# Altium PCB FMC_ADC_250M_16B_4ch.PcbDoc (part 1 of 8) (continued)
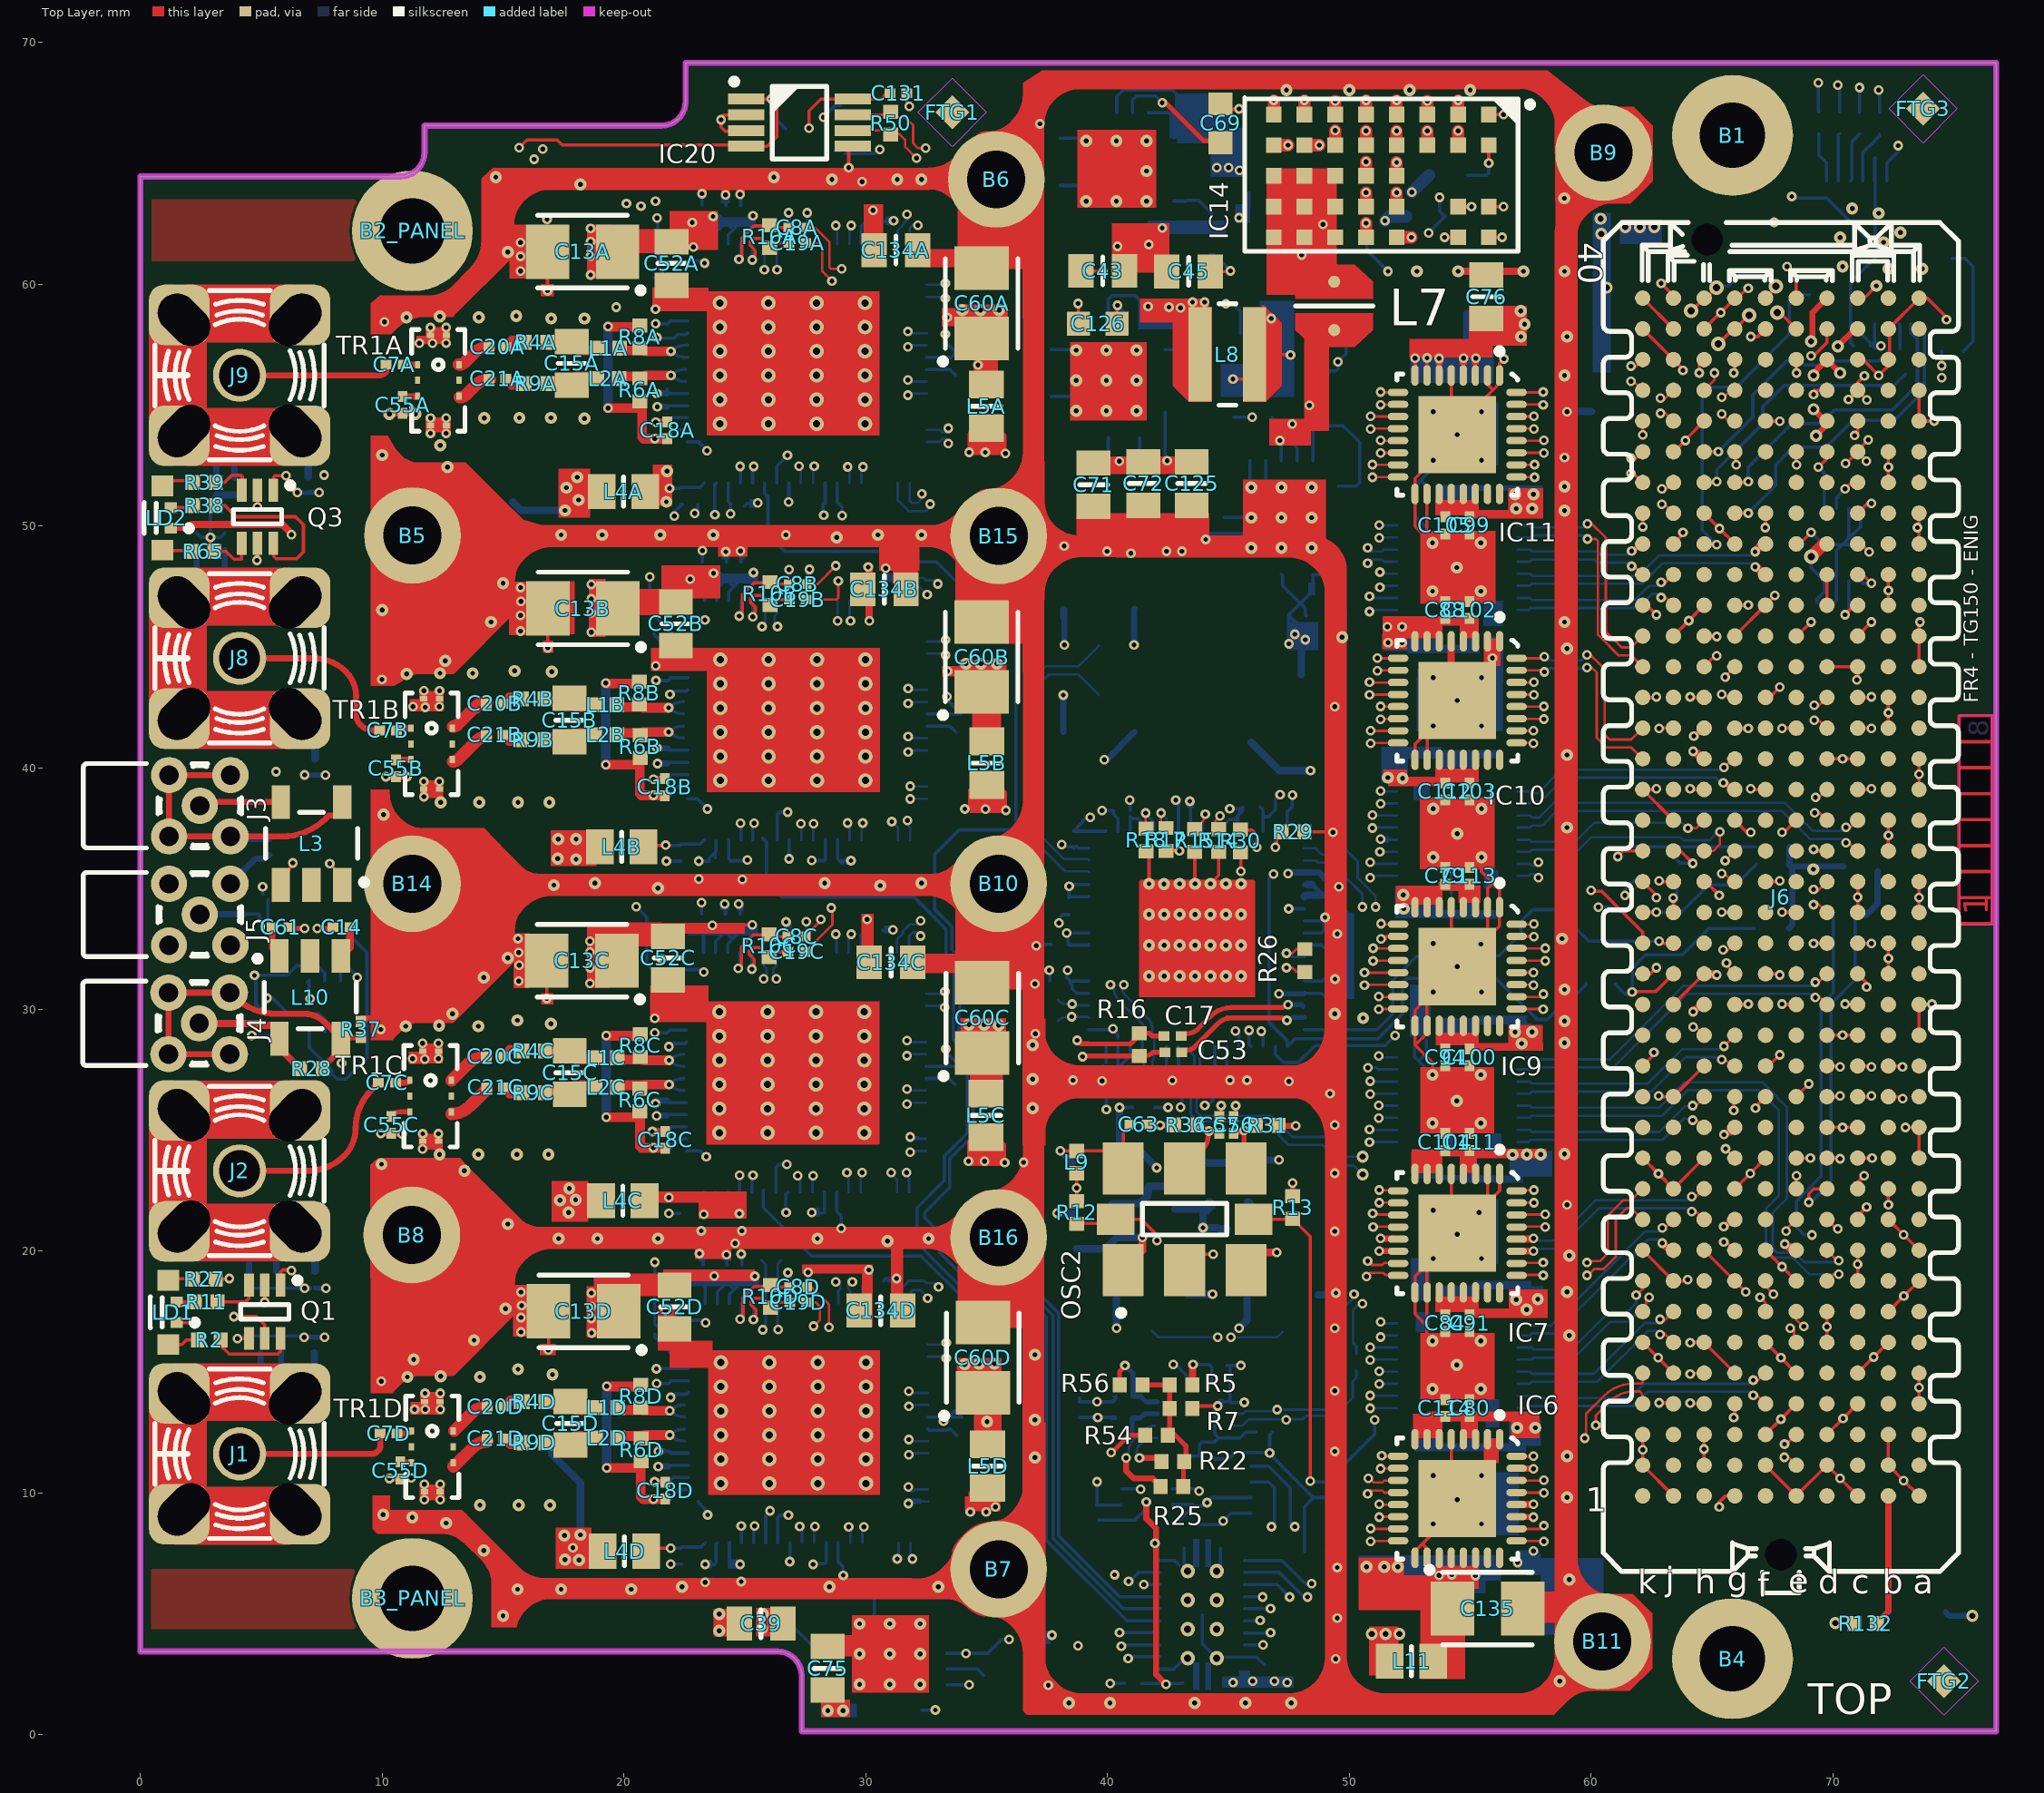
[diagram p0: Top Layer view]
## Design rules (kind name [scope] priority, off if disabled: settings) (continued)
Width [All] p2: maxlimit=2.54 minlimit=0.102 preferedwidth=0.135 toplayer_minwidth=0.135 midlayer1_minwidth=0.123 midlayer1_prefwidth=0.123 midlayer2_minwidth=0.127 midlayer2_prefwidth=0.127 midlayer3_prefwidth=0.127 bottomlayer_minwidth=0.135 minimp=50.000000 maximp=50.000000 favimp=50.000000
18 further rules are at their usual default settings.

## Classes and differential pairs
net class ADC_CLK: ADC1_CLK_N ADC1_CLK_P ADC2_CLK_N ADC2_CLK_P ADC3_CLK_N ADC3_CLK_P ADC4_CLK_N ADC4_CLK_P
net class ADC3_D: ADC_BUF_DATA3.CLKOUT_N ADC_BUF_DATA3.CLKOUT_P ADC_BUF_DATA3.D0_N ADC_BUF_DATA3.D2_N ADC_BUF_DATA3.D2_P ADC_BUF_DATA3.D4_N ADC_BUF_DATA3.D4_P ADC_BUF_DATA3.D6_N ADC_BUF_DATA3.D6_P ADC_BUF_DATA3.D8_N ADC_BUF_DATA3.D8_P ADC_BUF_DATA3.D10_N ADC_BUF_DATA3.D10_P ADC_BUF_DATA3.D12_N ADC_BUF_DATA3.D12_P ADC_BUF_DATA3.D14_N ADC_BUF_DATA3.D14_P
net class ADC2_D: ADC_BUF_DATA2.CLKOUT_N ADC_BUF_DATA2.CLKOUT_P ADC_BUF_DATA2.D0_N ADC_BUF_DATA2.D2_N ADC_BUF_DATA2.D2_P ADC_BUF_DATA2.D4_N ADC_BUF_DATA2.D4_P ADC_BUF_DATA2.D6_N ADC_BUF_DATA2.D6_P ADC_BUF_DATA2.D8_N ADC_BUF_DATA2.D8_P ADC_BUF_DATA2.D10_N ADC_BUF_DATA2.D10_P ADC_BUF_DATA2.D12_N ADC_BUF_DATA2.D12_P ADC_BUF_DATA2.D14_N ADC_BUF_DATA2.D14_P
net class ADC1_D: ADC_BUF_DATA1.CLKOUT_N ADC_BUF_DATA1.CLKOUT_P ADC_BUF_DATA1.D0_N ADC_BUF_DATA1.D2_N ADC_BUF_DATA1.D2_P ADC_BUF_DATA1.D4_N ADC_BUF_DATA1.D4_P ADC_BUF_DATA1.D6_N ADC_BUF_DATA1.D6_P ADC_BUF_DATA1.D8_N ADC_BUF_DATA1.D8_P ADC_BUF_DATA1.D10_N ADC_BUF_DATA1.D10_P ADC_BUF_DATA1.D12_N ADC_BUF_DATA1.D12_P ADC_BUF_DATA1.D14_N ADC_BUF_DATA1.D14_P
net class ADC0_D: ADC_BUF_DATA0.CLKOUT_N ADC_BUF_DATA0.CLKOUT_P ADC_BUF_DATA0.D0_N ADC_BUF_DATA0.D0_P ADC_BUF_DATA0.D2_N ADC_BUF_DATA0.D2_P ADC_BUF_DATA0.D4_N ADC_BUF_DATA0.D4_P ADC_BUF_DATA0.D6_N ADC_BUF_DATA0.D6_P ADC_BUF_DATA0.D8_N ADC_BUF_DATA0.D8_P ADC_BUF_DATA0.D10_N ADC_BUF_DATA0.D10_P ADC_BUF_DATA0.D12_N ADC_BUF_DATA0.D12_P ADC_BUF_DATA0.D14_N ADC_BUF_DATA0.D14_P
component class U_ADC_Buffers: C78 C79 C80 C81 C82 C83 C84 C85 C86 C87 C88 C89 C90 C91 C92 C93 C94 C95 C96 C97 C98 C99 C100 C101 C102 C103 C104 C105 C106 C107 C108 C109 C110 C111 C112 C113 C114 C115 C116 C117 C118 C119 C120 C121 C122 IC5 IC6 IC7 IC8 IC9 IC10 IC11 IC12 IC13
component class U_Triggers: C131 C132 D1 IC20 J5 LD2 Q3 R38 R39 R48 R49 R50 R65
component class U_EEPROM_Temp_LEDs: C22 C23 C55 FTG1 FTG2 FTG3 FTG4 FTG5 FTG6 IC15 IC22 LD1 Q1 Q2 R2 R11 R27 R32 R33 R34 R35 R46 R47
component class U_ADC4: C1D C2D C3D C4D C5D C6D C7D C8D C9D C10D C11D C12D C13D C15D C18D C19D C20D C21D C24D C52D C54D C55D C60D C133D C134D C?D IC1D L1D L2D L4D L5D R1D R4D R6D R8D R9D R10D R41D TP1D TR1D
component class U_ADC3: C1C C2C C3C C4C C5C C6C C7C C8C C9C C10C C11C C12C C13C C15C C18C C19C C20C C21C C24C C52C C54C C55C C60C C133C C134C C?C IC1C L1C L2C L4C L5C R1C R4C R6C R8C R9C R10C R41C TP1C TR1C
component class U_ADC2: C1B C2B C3B C4B C5B C6B C7B C8B C9B C10B C11B C12B C13B C15B C18B C19B C20B C21B C24B C52B C54B C55B C60B C133B C134B C?B IC1B L1B L2B L4B L5B R1B R4B R6B R8B R9B R10B R41B TP1B TR1B
component class U_ADC1: C1A C2A C3A C4A C5A C6A C7A C8A C9A C10A C11A C12A C13A C15A C18A C19A C20A C21A C24A C52A C54A C55A C60A C133A C134A C?A IC1A L1A L2A L4A L5A R1A R4A R6A R8A R9A R10A R41A TP1A TR1A
component class FMC_ADC_top: B5 B6 B7 B8 B9 B10 B11 B14 B15 B16 C25 C33 C129 C130 IC18 IC19 J1 J2 J8 J9 R3
pad class Direc: B1-1 B2-1 B3-1 B4-1
component class U_FMC_connector: B1 B2_PANEL B3_PANEL B4 D3 D4 D5 D6 J6 R75 R132
channel class ADC: U_ADC1 U_ADC2 U_ADC3 U_ADC4
component class U_Clock_Distribution: C14 C16 C17 C26 C27 C28 C29 C30 C31 C32 C34 C35 C37 C38 C47 C48 C49 C50 C51 C53 C56 C57 C58 C59 C61 C62 C63 C64 C65 C66 C67 C124 IC2 IC4 IC26 J3 J4 J7 J10 J11 J12 J13 L3 L9 L10 OSC2 R5 R7 R12 R13 R14 R15 R16 R17 R18 R19 R20 R21 R22 R23 R24 R25 R26 R28 R29 R30 R31 R36 R37 R40 R42 R44 R45 R51 R52 R53 R54 R55 R56 R64 R74
component class U_Supply: AVDD1 AVDD2 C36 C39 C40 C41 C42 C43 C44 C45 C46 C68 C69 C70 C71 C72 C73 C74 C75 C76 C77 C123 C125 C126 C127 C128 C135 IC14 IC16 IC17 IC24 IC25 L6 L7 L8 L11 OVDD P3V3 P3V3D R43 VBUF VCLK
differential pair E_CLK: +E_CLK_P -E_CLK_N
differential pair E_CLKC: +E_CLKC_P -E_CLKC_N
differential pair LA33: +LA33_P -LA33_N
differential pair VCOC: +VCOC_P -VCOC_N
differential pair VCXO_OUT: +VCXO_OUT_P -VCXO_OUT_N
differential pair REFINC: +REFINC_P -REFINC_N
differential pair FPGA_CLK: +FPGA_CLK_P -FPGA_CLK_N
differential pair FMC_CLK: +FMC_CLK_P -FMC_CLK_N
differential pair ADC_DATA3.D14: +ADC_DATA3.D14_P -ADC_DATA3.D14_N
differential pair ADC_DATA3.D12: +ADC_DATA3.D12_P -ADC_DATA3.D12_N
differential pair ADC_DATA3.D10: +ADC_DATA3.D10_P -ADC_DATA3.D10_N
differential pair ADC_DATA3.D8: +ADC_DATA3.D8_P -ADC_DATA3.D8_N
differential pair ADC_DATA3.D6: +ADC_DATA3.D6_P -ADC_DATA3.D6_N
differential pair ADC_DATA3.D4: +ADC_DATA3.D4_P -ADC_DATA3.D4_N
differential pair ADC_DATA3.D2: +ADC_DATA3.D2_P -ADC_DATA3.D2_N
differential pair ADC_DATA3.D0: +ADC_DATA3.D0_P -ADC_DATA3.D0_N
differential pair ADC_DATA3.CLKOUT: +ADC_DATA3.CLKOUT_P -ADC_DATA3.CLKOUT_N
differential pair ADC_DATA2.D14: +ADC_DATA2.D14_P -ADC_DATA2.D14_N
differential pair ADC_DATA2.D12: +ADC_DATA2.D12_P -ADC_DATA2.D12_N
differential pair ADC_DATA2.D10: +ADC_DATA2.D10_P -ADC_DATA2.D10_N
differential pair ADC_DATA2.D8: +ADC_DATA2.D8_P -ADC_DATA2.D8_N
differential pair ADC_DATA2.D6: +ADC_DATA2.D6_P -ADC_DATA2.D6_N
differential pair ADC_DATA2.D4: +ADC_DATA2.D4_P -ADC_DATA2.D4_N
differential pair ADC_DATA2.D2: +ADC_DATA2.D2_P -ADC_DATA2.D2_N
differential pair ADC_DATA2.D0: +ADC_DATA2.D0_P -ADC_DATA2.D0_N
differential pair ADC_DATA2.CLKOUT: +ADC_DATA2.CLKOUT_P -ADC_DATA2.CLKOUT_N
differential pair ADC_DATA1.D14: +ADC_DATA1.D14_P -ADC_DATA1.D14_N
differential pair ADC_DATA1.D12: +ADC_DATA1.D12_P -ADC_DATA1.D12_N
differential pair ADC_DATA1.D10: +ADC_DATA1.D10_P -ADC_DATA1.D10_N
differential pair ADC_DATA1.D8: +ADC_DATA1.D8_P -ADC_DATA1.D8_N
differential pair ADC_DATA1.D6: +ADC_DATA1.D6_P -ADC_DATA1.D6_N
differential pair ADC_DATA1.D4: +ADC_DATA1.D4_P -ADC_DATA1.D4_N
differential pair ADC_DATA1.D2: +ADC_DATA1.D2_P -ADC_DATA1.D2_N
differential pair ADC_DATA1.D0: +ADC_DATA1.D0_P -ADC_DATA1.D0_N
differential pair ADC_DATA1.CLKOUT: +ADC_DATA1.CLKOUT_P -ADC_DATA1.CLKOUT_N
differential pair ADC_DATA0.D14: +ADC_DATA0.D14_P -ADC_DATA0.D14_N
differential pair ADC_DATA0.D12: +ADC_DATA0.D12_P -ADC_DATA0.D12_N
differential pair ADC_DATA0.D10: +ADC_DATA0.D10_P -ADC_DATA0.D10_N
differential pair ADC_DATA0.D8: +ADC_DATA0.D8_P -ADC_DATA0.D8_N
differential pair ADC_DATA0.D6: +ADC_DATA0.D6_P -ADC_DATA0.D6_N
differential pair ADC_DATA0.D4: +ADC_DATA0.D4_P -ADC_DATA0.D4_N
differential pair ADC_DATA0.D2: +ADC_DATA0.D2_P -ADC_DATA0.D2_N
differential pair ADC_DATA0.D0: +ADC_DATA0.D0_P -ADC_DATA0.D0_N
differential pair ADC_DATA0.CLKOUT: +ADC_DATA0.CLKOUT_P -ADC_DATA0.CLKOUT_N
differential pair ADC_BUF_DATA2.D14: +ADC_BUF_DATA2.D14_P -ADC_BUF_DATA2.D14_N
differential pair REFIN: +REFIN_P -REFIN_N
differential pair CLKDIVRST: +CLKDIVRST_P -CLKDIVRST_N
differential pair ADC4_CLK: +ADC4_CLK_P -ADC4_CLK_N
differential pair ADC3_CLK: +ADC3_CLK_P -ADC3_CLK_N
differential pair ADC2_CLK: +ADC2_CLK_P -ADC2_CLK_N
differential pair ADC1_CLK: +ADC1_CLK_P -ADC1_CLK_N
differential pair ADC_BUF_DATA1.CLKOUT: +ADC_BUF_DATA1.CLKOUT_P -ADC_BUF_DATA1.CLKOUT_N
differential pair ADC_BUF_DATA1.D0: +ADC_BUF_DATA1.D0_P -ADC_BUF_DATA1.D0_N
differential pair ADC_BUF_DATA1.D2: +ADC_BUF_DATA1.D2_P -ADC_BUF_DATA1.D2_N
differential pair ADC_BUF_DATA1.D4: +ADC_BUF_DATA1.D4_P -ADC_BUF_DATA1.D4_N
differential pair ADC_BUF_DATA1.D6: +ADC_BUF_DATA1.D6_P -ADC_BUF_DATA1.D6_N
differential pair ADC_BUF_DATA1.D14: +ADC_BUF_DATA1.D14_P -ADC_BUF_DATA1.D14_N
differential pair ADC_BUF_DATA2.CLKOUT: +ADC_BUF_DATA2.CLKOUT_P -ADC_BUF_DATA2.CLKOUT_N
differential pair ADC_BUF_DATA0.CLKOUT: +ADC_BUF_DATA0.CLKOUT_P -ADC_BUF_DATA0.CLKOUT_N
differential pair ADC_BUF_DATA0.D0: +ADC_BUF_DATA0.D0_P -ADC_BUF_DATA0.D0_N
differential pair ADC_BUF_DATA0.D2: +ADC_BUF_DATA0.D2_P -ADC_BUF_DATA0.D2_N
differential pair ADC_BUF_DATA0.D4: +ADC_BUF_DATA0.D4_P -ADC_BUF_DATA0.D4_N
differential pair ADC_BUF_DATA0.D6: +ADC_BUF_DATA0.D6_P -ADC_BUF_DATA0.D6_N
differential pair ADC_BUF_DATA0.D8: +ADC_BUF_DATA0.D8_P -ADC_BUF_DATA0.D8_N
differential pair ADC_BUF_DATA0.D10: +ADC_BUF_DATA0.D10_P -ADC_BUF_DATA0.D10_N
differential pair ADC_BUF_DATA0.D12: +ADC_BUF_DATA0.D12_P -ADC_BUF_DATA0.D12_N
differential pair ADC_BUF_DATA0.D14: +ADC_BUF_DATA0.D14_P -ADC_BUF_DATA0.D14_N
differential pair ADC_BUF_DATA1.D8: +ADC_BUF_DATA1.D8_P -ADC_BUF_DATA1.D8_N
differential pair ADC_BUF_DATA1.D10: +ADC_BUF_DATA1.D10_P -ADC_BUF_DATA1.D10_N
differential pair ADC_BUF_DATA1.D12: +ADC_BUF_DATA1.D12_P -ADC_BUF_DATA1.D12_N
differential pair ADC_BUF_DATA2.D0: +ADC_BUF_DATA2.D0_P -ADC_BUF_DATA2.D0_N
differential pair ADC_BUF_DATA2.D2: +ADC_BUF_DATA2.D2_P -ADC_BUF_DATA2.D2_N
differential pair ADC_BUF_DATA2.D4: +ADC_BUF_DATA2.D4_P -ADC_BUF_DATA2.D4_N
differential pair ADC_BUF_DATA2.D6: +ADC_BUF_DATA2.D6_P -ADC_BUF_DATA2.D6_N
differential pair ADC_BUF_DATA2.D8: +ADC_BUF_DATA2.D8_P -ADC_BUF_DATA2.D8_N
differential pair ADC_BUF_DATA2.D10: +ADC_BUF_DATA2.D10_P -ADC_BUF_DATA2.D10_N
differential pair ADC_BUF_DATA2.D12: +ADC_BUF_DATA2.D12_P -ADC_BUF_DATA2.D12_N
differential pair ADC_BUF_DATA3.CLKOUT: +ADC_BUF_DATA3.CLKOUT_P -ADC_BUF_DATA3.CLKOUT_N
differential pair ADC_BUF_DATA3.D0: +ADC_BUF_DATA3.D0_P -ADC_BUF_DATA3.D0_N
differential pair ADC_BUF_DATA3.D2: +ADC_BUF_DATA3.D2_P -ADC_BUF_DATA3.D2_N
differential pair ADC_BUF_DATA3.D4: +ADC_BUF_DATA3.D4_P -ADC_BUF_DATA3.D4_N
differential pair ADC_BUF_DATA3.D6: +ADC_BUF_DATA3.D6_P -ADC_BUF_DATA3.D6_N
differential pair ADC_BUF_DATA3.D8: +ADC_BUF_DATA3.D8_P -ADC_BUF_DATA3.D8_N
differential pair ADC_BUF_DATA3.D10: +ADC_BUF_DATA3.D10_P -ADC_BUF_DATA3.D10_N
differential pair ADC_BUF_DATA3.D12: +ADC_BUF_DATA3.D12_P -ADC_BUF_DATA3.D12_N
differential pair ADC_BUF_DATA3.D14: +ADC_BUF_DATA3.D14_P -ADC_BUF_DATA3.D14_N
differential pair EXT_CLK: +EXT_CLK_P -EXT_CLK_N
differential pair RF_AUX: +RF_AUX_P -RF_AUX_N
differential pair FMC_CLKC: +FMC_CLKC_P -FMC_CLKC_N

## Components (designator, comment, footprint, x,y, rotation, side; value= is the part's Value field where it differs from the comment)
AVDD1 "Test Point" TPS127 17.025,11.95 r180 bottom
AVDD2 "Test Point" TPS127 15.4,51 r180 bottom
B1 "Plated Hole" MTG270_500_M 65.856,66.15 r0 top
B2_PANEL "Plated Hole" MTG270_500_M 11.256,62.2 r0 top
B3_PANEL "Plated Hole" MTG270_500_M 11.256,5.65 r0 top
B4 "Plated Hole" MTG270_500_M 65.856,3.15 r0 top
B5 "Plated Hole" MTG240_400_M 11.259,49.6 r0 top
B6 "Plated Hole" MTG240_400_M 35.406,64.325 r0 top
B7 "Plated Hole" MTG240_400_M 35.506,6.85 r0 top
B8 "Plated Hole" MTG240_400_M 11.231,20.675 r0 top
B9 "Plated Hole" MTG240_400_M 60.524,65.438 r0 top
B10 "Plated Hole" MTG240_400_M 35.506,35.2 r0 top
B11 "Plated Hole" MTG240_400_M 60.473,3.868 r0 top
B14 "Plated Hole" MTG240_400_M 11.252,35.2 r0 top
B15 "Plated Hole" MTG240_400_M 35.506,49.583 r0 top
B16 "Plated Hole" MTG240_400_M 35.506,20.576 r0 top
C1A "100nF" CAPC0603X33N 21.814,58.707 r270 bottom (schematic designator C1)
C1B "100nF" CAPC0603X33N 21.828,43.953 r270 bottom (schematic designator C1)
C1C "100nF" CAPC0603X33N 21.786,29.386 r270 bottom (schematic designator C1)
C1D "100nF" CAPC0603X33N 21.856,14.886 r270 bottom (schematic designator C1)
C2A "100nF" CAPC0603X33N 23.236,62.898 r270 bottom (schematic designator C2)
C2B "100nF" CAPC0603X33N 23.251,48.144 r270 bottom (schematic designator C2)
C2C "100nF" CAPC0603X33N 23.208,33.577 r270 bottom (schematic designator C2)
C2D "100nF" CAPC0603X33N 23.278,19.077 r270 bottom (schematic designator C2)
C3A "100nF" CAPC0603X33N 24.913,62.898 r270 bottom (schematic designator C3)
C3B "100nF" CAPC0603X33N 24.927,48.144 r270 bottom (schematic designator C3)
C3C "100nF" CAPC0603X33N 24.884,33.577 r270 bottom (schematic designator C3)
C3D "100nF" CAPC0603X33N 24.954,19.077 r270 bottom (schematic designator C3)
C4A "100nF" CAPC0603X33N 24.202,62.898 r270 bottom (schematic designator C4)
C4B "100nF" CAPC0603X33N 24.216,48.144 r270 bottom (schematic designator C4)
C4C "100nF" CAPC0603X33N 24.173,33.577 r270 bottom (schematic designator C4)
C4D "100nF" CAPC0603X33N 24.243,19.077 r270 bottom (schematic designator C4)
C5A "100nF" CAPC0603X33N 21.789,55.303 r270 bottom (schematic designator C5)
C5B "100nF" CAPC0603X33N 21.797,40.489 r270 bottom (schematic designator C5)
C5C "100nF" CAPC0603X33N 21.76,25.983 r270 bottom (schematic designator C5)
C5D "100nF" CAPC0603X33N 21.83,11.483 r270 bottom (schematic designator C5)
C6A "100nF" CAPC0603X33N 23.414,50.935 r0 bottom (schematic designator C6)
C6B "100nF" CAPC0603X33N 23.662,35.779 r90 bottom (schematic designator C6)
C6C "100nF" CAPC0603X33N 23.738,21.2 r90 bottom (schematic designator C6)
C6D "100nF" CAPC0603X33N 23.764,6.696 r90 bottom (schematic designator C6)
C7A "100nF" CAPC0603X33N 10.519,56.669 r180 top (schematic designator C7)
C7B "100nF" CAPC0603X33N 10.246,41.54 r180 top (schematic designator C7)
C7C "100nF" CAPC0603X33N 10.203,26.973 r180 top (schematic designator C7)
C7D "100nF" CAPC0603X33N 10.273,12.473 r180 top (schematic designator C7)
C8A "100nF" CAPC0603X33N 27.173,62.339 r180 top (schematic designator C8)
C8B "100nF" CAPC0603X33N 27.188,47.585 r180 top (schematic designator C8)
C8C "100nF" CAPC0603X33N 27.145,33.018 r180 top (schematic designator C8)
C8D "100nF" CAPC0603X33N 27.215,18.518 r180 top (schematic designator C8)
C9A "100nF" CAPC0603X33N 3.145,51.625 r90 bottom (schematic designator C9)
C9B "100nF" CAPC0603X33N 3.5,49.35 r270 bottom (schematic designator C9)
C9C "100nF" CAPC0603X33N 5.625,18.8 r90 bottom (schematic designator C9)
C9D "100nF" CAPC0603X33N 5.825,16.15 r270 bottom (schematic designator C9)
C10A "100nF" CAPC0603X33N 30.374,62.593 r180 bottom (schematic designator C10)
C10B "100nF" CAPC0603X33N 30.388,47.839 r180 bottom (schematic designator C10)
C10C "100nF" CAPC0603X33N 30.345,33.272 r180 bottom (schematic designator C10)
C10D "100nF" CAPC0603X33N 30.415,18.772 r180 bottom (schematic designator C10)
C11A "100nF" CAPC0603X33N 28.596,50.909 r180 bottom (schematic designator C11)
C11B "100nF" CAPC0603X33N 28.61,36.155 r180 bottom (schematic designator C11)
C11C "100nF" CAPC0603X33N 28.567,21.588 r180 bottom (schematic designator C11)
C11D "100nF" CAPC0603X33N 28.637,7.088 r180 bottom (schematic designator C11)
C12A "100nF" CAPC0603X33N 27.221,62.521 r0 bottom (schematic designator C12)
C12B "100nF" CAPC0603X33N 27.235,47.767 r0 bottom (schematic designator C12)
C12C "100nF" CAPC0603X33N 27.193,33.2 r0 bottom (schematic designator C12)
C12D "100nF" CAPC0603X33N 27.263,18.7 r0 bottom (schematic designator C12)
C13A "47uF" CAPMP3528X210N 18.292,61.338 r180 top (schematic designator C13)
C13B "47uF" CAPMP3528X210N 18.306,46.584 r180 top (schematic designator C13)
C13C "47uF" CAPMP3528X210N 18.264,32.018 r180 top (schematic designator C13)
C13D "47uF" CAPMP3528X210N 18.334,17.518 r180 top (schematic designator C13)
C14 "100nF" CAPC0603X33N 8.325,33.406 r0 top
C15A "12pF" CAPC2012X135N 17.847,56.72 r90 top (schematic designator C15)
C15B "12pF" CAPC2012X135N 17.755,41.962 r90 top (schematic designator C15)
C15C "12pF" CAPC2012X135N 17.766,27.386 r90 top (schematic designator C15)
C15D "12pF" CAPC2012X135N 17.792,12.883 r90 top (schematic designator C15)
C16 "100nF" CAPC0603X33N 40.675,13.1 r180 bottom
C17 "100nF" CAPC0603X33N 42.725,28.225 r180 top
C18A "100nF" CAPC0603X33N 21.797,53.951 r90 top (schematic designator C18)
C18B "100nF" CAPC0603X33N 21.692,39.194 r90 top (schematic designator C18)
C18C "100nF" CAPC0603X33N 21.716,24.611 r90 top (schematic designator C18)
C18D "100nF" CAPC0603X33N 21.717,10.108 r90 top (schematic designator C18)
C19A "100nF" CAPC0603X33N 27.173,61.704 r180 top (schematic designator C19)
C19B "100nF" CAPC0603X33N 27.188,46.95 r180 top (schematic designator C19)
C19C "100nF" CAPC0603X33N 27.145,32.383 r180 top (schematic designator C19)
C19D "100nF" CAPC0603X33N 27.215,17.883 r180 top (schematic designator C19)
C20A "100nF" CAPC0603X33N 14.773,57.406 r0 top (schematic designator C20)
C20B "100nF" CAPC0603X33N 14.656,42.648 r0 top (schematic designator C20)
C20C "100nF" CAPC0603X33N 14.666,28.061 r0 top (schematic designator C20)
C20D "100nF" CAPC0603X33N 14.692,13.583 r0 top (schematic designator C20)
C21A "100nF" CAPC0603X33N 14.773,56.085 r0 top (schematic designator C21)
C21B "100nF" CAPC0603X33N 14.656,41.353 r0 top (schematic designator C21)
C21C "100nF" CAPC0603X33N 14.674,26.779 r0 top (schematic designator C21)
C21D "100nF" CAPC0603X33N 14.692,12.258 r0 top (schematic designator C21)
C22 "100nF" CAPC0603X33N 71.206,57.45 r0 bottom
C23 "100nF" CAPC0603X33N 72.106,65.225 r0 bottom
C24A "100nF" CAPC0603X33N 22.347,51.239 r90 bottom (schematic designator C24)
C24B "100nF" CAPC0603X33N 22.214,36.49 r90 bottom (schematic designator C24)
C24C "100nF" CAPC0603X33N 22.319,21.919 r90 bottom (schematic designator C24)
C24D "100nF" CAPC0603X33N 22.367,7.357 r90 bottom (schematic designator C24)
C25 "100nF" CAPC0603X33N 41.061,2.124 r180 bottom
C26 "100nF" CAPC0603X33N 44.734,27.556 r180 bottom
C27 "100nF" CAPC0603X33N 40.162,27.658 r0 bottom
C28 "100nF" CAPC0603X33N 38.028,32.687 r0 bottom
C29 "100nF" CAPC0603X33N 45.952,38.381 r180 bottom
C30 "100nF" CAPC0603X33N 43.133,38.203 r0 bottom
C31 "100nF" CAPC0603X33N 49,35.075 r270 bottom
C32 "100nF" CAPC0603X33N 38.606,37.025 r270 bottom
C33 "100nF" CAPC0603X33N 46.494,2.553 r270 bottom
C34 "100nF" CAPC0603X33N 38.4,34.272 r90 bottom
C35 "100nF" CAPC0603X33N 47.298,38.381 r0 bottom
C36 "10uF" CAPC2012X135N 48.975,58.193 r0 bottom
C37 "100nF" CAPC0603X33N 38.002,31.167 r0 bottom
C38 "100nF" CAPC0603X33N 44.6,15.275 r180 bottom
C39 "10uF" CAPC2012X135N 25.675,4.6 r180 top
C40 "10uF" CAPC2012X135N 25.681,4.675 r180 bottom
C41 "1uF" CAPC1608X87N 36.057,2.048 r0 bottom
C42 "10uF" CAPC2012X135N 45.927,64.594 r270 bottom
C43 "10uF" CAPC2012X135N 39.805,60.543 r180 top
C44 "10uF" CAPC2012X135N 44.225,62.118 r270 bottom
C45 "10uF" CAPC2012X135N 43.361,60.517 r0 top
C46 "1uF" CAPC1608X87N 53.158,62.796 r180 bottom
C47 "100nF" CAPC0603X33N 48.95,32.916 r270 bottom
C48 "100nF" CAPC0603X33N 40.593,38.229 r0 bottom
C49 "100nF" CAPC0603X33N 48.975,30.909 r270 bottom
C50 "100nF" CAPC0603X33N 42.727,27.607 r0 bottom
C51 "100nF" CAPC0603X33N 40.7,14 r180 bottom
C52A "2.2uF" CAPC2012X135N 21.975,60.85 r90 top (schematic designator C52)
C52B "2.2uF" CAPC2012X135N 22.15,45.95 r90 top (schematic designator C52)
C52C "2.2uF" CAPC2012X135N 21.825,32.125 r90 top (schematic designator C52)
C52D "2.2uF" CAPC2012X135N 22.1,17.7 r90 top (schematic designator C52)
C53 "100nF" CAPC0603X33N 42.7,28.9 r180 top
C54A "100nF" CAPC0603X33N 3.9,51.625 r90 bottom (schematic designator C54)
C54B "100nF" CAPC0603X33N 2.332,49.35 r270 bottom (schematic designator C54)
C54C "100nF" CAPC0603X33N 4.5,18.825 r90 bottom (schematic designator C54)
C54D "100nF" CAPC0603X33N 4.975,16.15 r270 bottom (schematic designator C54)
C55 "100nF" CAPC0603X33N 69.706,46.825 r180 bottom
C55A "100nF" CAPC0603X33N 10.85,55 r90 top (schematic designator C55)
C55B "100nF" CAPC0603X33N 10.575,39.975 r90 top (schematic designator C55)
C55C "100nF" CAPC0603X33N 10.375,25.225 r90 top (schematic designator C55)
C55D "100nF" CAPC0603X33N 10.75,10.938 r90 top (schematic designator C55)
C56 "100nF" CAPC0603X33N 45.215,25.224 r270 top
C57 "100nF" CAPC0603X33N 44.631,25.224 r270 top
C58 "100nF" CAPC0603X33N 50.295,15.419 r270 bottom
C59 "4.7uF" CAPC1608X90N 38.027,23.649 r0 bottom
C60A "47uF" CAPMP3528X210N 34.8,59.2 r90 top (schematic designator C60)
C60B "47uF" CAPMP3528X210N 34.8,44.575 r90 top (schematic designator C60)
C60C "47uF" CAPMP3528X210N 34.825,29.65 r90 top (schematic designator C60)
C60D "47uF" CAPMP3528X210N 34.85,15.6 r90 top (schematic designator C60)
C61 "100nF" CAPC0603X33N 5.8,33.4 r180 top
C62 "100nF" CAPC0603X33N 46.485,12.524 r0 bottom
C63 "100nF" CAPC0603X33N 41.29,25.238 r0 top
C64 "1.2nF" CAPC1608X87N 44.175,22.85 r270 bottom
C65 "1.2nF" CAPC1608X87N 41.425,23.375 r270 bottom
C66 "820pF" CAPC1608X87N 38.725,20.9 r270 bottom
C67 "27nF" CAPC1608X87N 45.8,22.85 r270 bottom
C68 "2.2uF" CAPC2012X135N 49.83,61.501 r180 bottom
C69 "1uF" CAPC1608X87N 44.675,66.65 r90 top
C70 "10uF" CAPC2012X135N 44.606,57.927 r0 bottom
C71 "10uF" CAPC2012X135N 39.425,51.699 r270 top
C72 "10uF" CAPC2012X135N 41.482,51.75 r270 top
C73 "10uF" CAPC2012X135N 48.732,55.007 r90 bottom
C74 "10uF" CAPC2012X135N 35.981,3.75 r0 bottom
C75 "10uF" CAPC2012X135N 28.431,2.75 r90 top
C76 "2.2uF" CAPC2012X135N 55.675,59.475 r270 top
C77 "10uF" CAPC2012X135N 60.375,55.975 r270 bottom
C78 "100nF" CAPC0603X33N 53.971,33.521 r90 bottom
C79 "100nF" CAPC0603X33N 53.971,35.521 r270 top
C80 "100nF" CAPC0603X33N 54.971,13.521 r270 top
C81 "100nF" CAPC0603X33N 54.971,41.021 r270 bottom
C82 "10nF" CAPC0603X33N 55.971,55.521 r90 bottom
C83 "100nF" CAPC0603X33N 53.971,30.021 r270 bottom
C84 "100nF" CAPC0603X33N 53.971,17.021 r90 top
C85 "100nF" CAPC0603X33N 55.971,30.021 r270 bottom
C86 "100nF" CAPC0603X33N 56.75,11.25 r90 bottom
C87 "10nF" CAPC0603X33N 53.971,41.021 r270 bottom
C88 "100nF" CAPC0603X33N 53.971,46.521 r270 top
C89 "100nF" CAPC0603X33N 55.971,19.021 r270 bottom
C90 "100nF" CAPC0603X33N 53.971,7.771 r270 bottom
C91 "100nF" CAPC0603X33N 54.971,17.021 r90 top
C92 "10nF" CAPC0603X33N 53.971,44.521 r90 bottom
C93 "100nF" CAPC0603X33N 54.971,19.021 r270 bottom
C94 "100nF" CAPC0603X33N 53.971,28.021 r90 top
C95 "100nF" CAPC0603X33N 54.971,33.521 r90 bottom
C96 "100nF" CAPC0603X33N 53.971,11.271 r90 bottom
C97 "10nF" CAPC0603X33N 55.971,52.021 r270 bottom
C98 "100nF" CAPC0603X33N 54.971,52.021 r270 bottom
C99 "100nF" CAPC0603X33N 54.971,50.021 r90 top
C100 "100nF" CAPC0603X33N 54.971,28.021 r90 top
C101 "100nF" CAPC0603X33N 54.971,55.521 r90 bottom
C102 "10nF" CAPC0603X33N 54.971,46.521 r270 top
C103 "100nF" CAPC0603X33N 54.971,39.021 r90 top
C104 "100nF" CAPC0603X33N 53.971,24.521 r270 top
C105 "100nF" CAPC0603X33N 53.971,50.021 r90 top
C106 "100nF" CAPC0603X33N 53.971,52.021 r270 bottom
C107 "100nF" CAPC0603X33N 55.775,33.525 r90 bottom
C108 "100nF" CAPC0603X33N 54.971,7.771 r270 bottom
C109 "100nF" CAPC0603X33N 53.005,44.508 r90 bottom
C110 "100nF" CAPC0603X33N 53.971,19.021 r270 bottom
C111 "10nF" CAPC0603X33N 54.971,24.521 r270 top
C112 "100nF" CAPC0603X33N 53.971,39.021 r90 top
C113 "10nF" CAPC0603X33N 54.971,35.521 r270 top
C114 "100nF" CAPC0603X33N 53.971,13.521 r270 top
C115 "100nF" CAPC0603X33N 54.725,22.5 r90 bottom
C116 "100nF" CAPC0603X33N 53.6,22.525 r90 bottom
C117 "10nF" CAPC0603X33N 53.971,55.521 r90 bottom
C118 "100nF" CAPC0603X33N 54.971,11.271 r90 bottom
C119 "100nF" CAPC0603X33N 54.971,30.021 r270 bottom
C120 "100nF" CAPC0603X33N 54.971,44.521 r90 bottom
C121 "100nF" CAPC0603X33N 55.725,22.5 r90 bottom
C122 "10nF" CAPC0603X33N 55.971,41.021 r270 bottom
C123 "2.2uF" CAPC2012X135N 56.961,6.671 r0 bottom
C124 "100nF" CAPC0603X33N 49.66,15.394 r270 bottom
C125 "10uF" CAPC2012X135N 43.489,51.75 r270 top
C126 "1uF" CAPC1608X87N 39.602,58.358 r180 top
C127 "10uF" CAPC2012X135N 48.949,46.509 r180 bottom
C128 "1uF" CAPC1608X87N 46.02,54.491 r180 bottom
C129 "100nF" CAPC0603X33N 39.559,9.155 r270 bottom
C130 "100nF" CAPC0603X33N 43.564,9.12 r90 bottom
C131 "10nF" CAPC0603X33N 31.358,67.885 r0 top
C132 "100nF" CAPC0603X33N 29.885,65.04 r270 bottom
C133A "100nF" CAPC0603X33N 24.76,50.935 r180 bottom (schematic designator C133)
C133B "100nF" CAPC0603X33N 24.475,35.805 r90 bottom (schematic designator C133)
C133C "100nF" CAPC0603X33N 24.373,21.2 r90 bottom (schematic designator C133)
C133D "100nF" CAPC0603X33N 24.399,6.696 r90 bottom (schematic designator C133)
C134A "2.2uF" CAPC2012X135N 31.25,61.4 r180 top (schematic designator C134)
C134B "2.2uF" CAPC2012X135N 30.775,47.375 r180 top (schematic designator C134)
C134C "2.2uF" CAPC2012X135N 31.05,31.95 r180 top (schematic designator C134)
C134D "2.2uF" CAPC2012X135N 30.625,17.55 r180 top (schematic designator C134)
C135 "47uF" CAPMP3528X210N 55.725,5.225 r0 top
D1 "BAR66" SOT95P240X110-3N 27.806,66.45 r180 bottom
D3 "PMEG4002EB" SODFL1608X65N 71.15,35.725 r0 bottom
D4 "PMEG4002EB" SODFL1608X65N 67.517,35.917 r180 bottom
D5 "PMEG4002EB" SODFL1608X65N 67.491,33.352 r180 bottom
D6 "PMEG4002EB" SODFL1608X65N 67.517,36.73 r180 bottom
FTG1 "Use only in PCB" FIDUCIAL_TOP_S100-200 33.582,67.096 r90 top
FTG2 "Use only in PCB" FIDUCIAL_TOP_S100-200 74.606,2.225 r90 top
FTG3 "Use only in PCB" FIDUCIAL_TOP_S100-200 73.74,67.248 r0 top
FTG4 "Use only in PCB" FIDUCIAL_TOP_S100-200 5.481,61.89 r180 bottom
FTG5 "Use only in PCB" FIDUCIAL_TOP_S100-200 4.846,5.883 r180 bottom
FTG6 "Use only in PCB" FIDUCIAL_TOP_S100-200 74.502,66.918 r180 bottom
IC1A "ISLA216P25IRZ" INTERSIL_L72.10x10E 27.575,56.721 r0 bottom (schematic designator IC1)
IC1B "ISLA216P25IRZ" INTERSIL_L72.10x10E 27.589,41.967 r0 bottom (schematic designator IC1)
IC1C "ISLA216P25IRZ" INTERSIL_L72.10x10E 27.547,27.4 r0 bottom (schematic designator IC1)
IC1D "ISLA216P25IRZ" INTERSIL_L72.10x10E 27.617,12.9 r0 bottom (schematic designator IC1)
IC2 "AD9510BCPZ" QFN50P900X900X100-65N-S485 43.692,32.916 r180 bottom
IC4 "ICS854S01AKILF" QFN50P300x300x100-17N-S140 43.564,13.032 r0 bottom
IC5 "DS90LV804" QFN50P500X500X80-33N-S320 54.45,15.275 r90 bottom
IC6 "DS90LV804" QFN50P500X500X80-33N-S320 54.475,9.775 r270 top
IC7 "DS90LV804" QFN50P500X500X80-33N-S320 54.475,20.75 r270 top
IC8 "DS90LV804" QFN50P500X500X80-33N-S320 54.45,26.275 r90 bottom
IC9 "DS90LV804" QFN50P500X500X80-33N-S320 54.475,31.775 r270 top
IC10 "DS90LV804" QFN50P500X500X80-33N-S320 54.475,42.775 r270 top
IC11 "DS90LV804" QFN50P500X500X80-33N-S320 54.471,53.771 r270 top
IC12 "DS90LV804" QFN50P500X500X80-33N-S320 54.475,37.275 r90 bottom
IC13 "DS90LV804" QFN50P500X500X80-33N-S320 54.45,48.275 r90 bottom
IC14 "LTM8021IV#PBF" LGA35S127P5X8_625x1125x292 51.329,63.203 r270 top locked
IC15 "AMC7823IRTAT" QFN50P600X600X80-41N-S425 71.988,61.313 r0 bottom locked
IC16 "TPS7A4700RGWT" QFN65P500X500X100-21N-S325 40.034,55.996 r90 bottom
IC17 "TPS7A4700RGWT" QFN65P500X500X100-21N-S325 47.197,50.34 r90 bottom
IC18 "SN74LVC8T245RHLR" QFN50P350X550X100-24N 43.925,4.975 r0 bottom
IC19 "SN74LVC1T45DCKT" SOT65P210X110-6N 41.65,9.5 r0 bottom
IC20 "SN65LVDM176DGK" SOP65P490X110-8N 27.264,66.672 r0 top
IC22 "24AA64T-I/MC" SON50P300X200X100-9N-R175X155 70.406,49.225 r270 bottom
IC24 "TPS7A4700RGWT" QFN65P500X500X100-21N-S325 31.006,3.375 r0 bottom
IC25 "TPS7A4700RGWT" QFN65P500X500X100-21N-S325 40.389,64.734 r90 bottom
IC26 "PCA9306DCTR" SOP65P400X130-8N 47.832,10.136 r0 bottom
J1 "SMA" "AMPHENOL_901-143_IN BOARD" 4.106,11.625 r0 top locked
J2 "SMA" "AMPHENOL_901-143_IN BOARD" 4.106,23.325 r0 top locked
J3 "MMCX" HUBER-SUHNER_85_MMCX-50-0-1/111_OH 2.459,38.425 r180 top
J4 "MMCX" HUBER-SUHNER_85_MMCX-50-0-1/111_OH 2.434,29.425 r180 top
J5 "MMCX" HUBER-SUHNER_85_MMCX-50-0-1/111_OH 2.456,33.925 r180 top
J6 "" SAMTEC_ASP-134488-01 67.856,34.65 r270 top
J7 "U.FL" HIROSE_U.FL-R-SMT-1(10) 39.65,41.475 r0 bottom
J8 "SMA" "AMPHENOL_901-143_IN BOARD" 4.106,44.525 r0 top locked
J9 "SMA" "AMPHENOL_901-143_IN BOARD" 4.106,56.225 r0 top locked
J10 "U.FL" HIROSE_U.FL-R-SMT-1(10) 39.65,46.575 r180 bottom
J11 "SMD Pad" R400X300 45.9,41.125 r180 bottom
J12 "U.FL" HIROSE_U.FL-R-SMT-1(10) 47.25,18.2 r180 bottom
J13 "U.FL" HIROSE_U.FL-R-SMT-1(10) 41.85,18.225 r180 bottom
L1A "5.6nH" INDC1005X55N 19.358,57.355 r0 top (schematic designator L1)
L1B "5.6nH" INDC1005X55N 19.254,42.597 r0 top (schematic designator L1)
L1C "5.6nH" INDC1005X55N 19.269,28.011 r0 top (schematic designator L1)
L1D "5.6nH" INDC1005X55N 19.292,13.533 r0 top (schematic designator L1)
L2A "5.6nH" INDC1005X55N 19.345,56.085 r0 top (schematic designator L2)
L2B "5.6nH" INDC1005X55N 19.251,41.353 r0 top (schematic designator L2)
L2C "5.6nH" INDC1005X55N 19.266,26.786 r0 top (schematic designator L2)
L2D "5.6nH" INDC1005X55N 19.292,12.283 r0 top (schematic designator L2)
L3 "1:1" "XFMR_MA-COM_SM-22 (H260)" 7.082,36.863 r180 top locked
L4A "220R@100MHz" INDC2012X105N 19.985,51.417 r0 top (schematic designator L4)
L4B "220R@100MHz" INDC2012X105N 19.906,36.725 r0 top (schematic designator L4)
L4C "220R@100MHz" INDC2012X105N 19.957,22.096 r0 top (schematic designator L4)
L4D "220R@100MHz" INDC2012X105N 20.027,7.596 r0 top (schematic designator L4)
L5A "220R@100MHz" INDC2012X105N 35.001,54.943 r270 top (schematic designator L5)
L5B "220R@100MHz" INDC2012X105N 35.015,40.189 r270 top (schematic designator L5)
L5C "220R@100MHz" INDC2012X105N 34.973,25.622 r270 top (schematic designator L5)
L5D "220R@100MHz" INDC2012X105N 35.043,11.122 r270 top (schematic designator L5)
L6 "220R@100MHz" INDC2012X105N 61.2,60.975 r180 bottom
L7 "2.2uH" IND_PANASONIC_ELLVGG 49.381,59.095 r270 top
L8 "1.8uH" IND_TDK_VLCF4020-1-1.8uH 44.961,57.088 r180 top
L9 "220R@100MHz" INDC1005X55N 38.724,23.689 r270 top
L10 "1:1" "XFMR_MA-COM_SM-22 (H260)" 7.025,30.5 r0 top
L11 "220R@100MHz" INDC2012X105N 52.575,3.05 r0 top
LD1 "" LED_AVAGO_HSMF-C113 1.156,17.475 r90 top locked
LD2 "" LED_AVAGO_HSMF-C113 0.906,50.325 r90 top locked
OSC2 "10-280MHz" OSC_SILICON-LAB_SI571 43.195,21.327 r90 top
OVDD "Test Point" TPS127 34.975,39.7 r180 bottom
P3V3 "Test Point" TPS127 74.675,5.075 r90 bottom
P3V3D "Test Point" TPS127 60.325,58.625 r180 bottom
Q1 "PMGD280UN" SOT65P210X110-6N 5.15,17.5 r270 top
Q2 "PMGD280UN" SOT65P210X110-6N 7.65,30.05 r90 bottom
Q3 "PMGD280UN" SOT65P210X110-6N 4.85,50.375 r270 top
R1A "10k" RESC1005X40N 33.671,56.721 r90 bottom (schematic designator R1)
R1B "10k" RESC1005X40N 33.685,41.967 r90 bottom (schematic designator R1)
R1C "10k" RESC1005X40N 33.643,27.4 r90 bottom (schematic designator R1)
R1D "10k" RESC1005X40N 33.713,12.9 r90 bottom (schematic designator R1)
R2 "200" RESC1005X40N 2.848,16.334 r180 top
R3 "100" RESC1005X40N 26.157,19.8 r180 bottom
R4A "5R6" RESC1005X40N 16.361,57.583 r0 top (schematic designator R4)
R4B "5R6" RESC1005X40N 16.257,42.851 r0 top (schematic designator R4)
R4C "5R6" RESC1005X40N 16.266,28.286 r0 top (schematic designator R4)
R4D "5R6" RESC1005X40N 16.292,13.783 r0 top (schematic designator R4)
R5 "10k" RESC1005X40N 43.05,14.475 r180 top
R6A "27" RESC1005X40N 20.654,55.628 r270 top (schematic designator R6)
R6B "27" RESC1005X40N 20.676,40.87 r270 top (schematic designator R6)
R6C "27" RESC1005X40N 20.666,26.261 r270 top (schematic designator R6)
R6D "27" RESC1005X40N 20.717,11.783 r270 top (schematic designator R6)
R7 "10k" RESC1005X40N 43.05,13.5 r0 top
R8A "27" RESC1005X40N 20.654,57.812 r270 top (schematic designator R8)
R8B "27" RESC1005X40N 20.651,43.08 r270 top (schematic designator R8)
R8C "27" RESC1005X40N 20.672,28.506 r270 top (schematic designator R8)
R8D "27" RESC1005X40N 20.692,14.008 r270 top (schematic designator R8)
R9A "5R6" RESC1005X40N 16.361,55.882 r0 top (schematic designator R9)
R9B "5R6" RESC1005X40N 16.257,41.15 r0 top (schematic designator R9)
R9C "5R6" RESC1005X40N 16.266,26.561 r0 top (schematic designator R9)
R9D "5R6" RESC1005X40N 16.292,12.083 r0 top (schematic designator R9)
R10A "100" RESC1005X40N 26.03,61.958 r270 top (schematic designator R10)
R10B "100" RESC1005X40N 26.045,47.204 r270 top (schematic designator R10)
R10C "100" RESC1005X40N 26.002,32.637 r270 top (schematic designator R10)
R10D "100" RESC1005X40N 26.072,18.137 r270 top (schematic designator R10)
R11 "200" RESC1005X40N 2.721,17.909 r180 top
R12 "2k2" RESC1005X40N 38.724,21.606 r90 top
R13 "2k2" RESC1005X40N 47.665,21.809 r90 top
R14 "200" RESC1005X40N 44.606,36.984 r270 top
R15 "200" RESC1005X40N 43.615,36.984 r270 top
R16 "49R9" RESC1005X40N 41.325,28.55 r90 top
R17 "200" RESC1005X40N 42.421,37.035 r270 top
R18 "200" RESC1005X40N 41.609,37.009 r270 top
R19 "200" RESC1005X40N 37.494,30.38 r180 bottom
R20 "200" RESC1005X40N 37.471,29.521 r180 bottom
R21 "200" RESC1005X40N 41.042,26.398 r270 bottom
R22 "2k2" RESC1005X40N 42.7,11.3 r0 top
R23 "200" RESC1005X40N 41.956,26.398 r270 bottom
R24 "0" RESC0603X28N 5.35,36.719 r90 bottom
R25 "2k2" RESC1005X40N 42.675,10.275 r0 top
R26 "100" RESC1005X40N 48.175,32.025 r270 top
R27 "200" RESC1005X40N 2.645,18.848 r180 top
R28 "49R9" RESC1005X40N 7.075,27.55 r0 top
R29 "5k1" RESC1005X40N 47.679,37.34 r0 top
R30 "4k12" RESC1005X40N 45.5,36.975 r270 top
R31 "200R" RESC1005X40N 46.612,25.198 r0 top
R32 "200" RESC1005X40N 69.431,66.675 r90 bottom
R33 "200" RESC1005X40N 70.281,66.675 r90 bottom
R34 "200" RESC1005X40N 71.106,66.65 r90 bottom
R35 "200" RESC1005X40N 71.931,66.65 r90 bottom
R36 "200R" RESC1005X40N 43.234,25.224 r180 top
R37 "0" RESC0603X28N 9.125,29.175 r90 top
R38 "200" RESC1005X40N 2.645,50.827 r180 top
R39 "200" RESC1005X40N 2.645,51.792 r180 top
R40 "1" RESC1005X40N 42.8,22.225 r90 bottom
R41A "0" RESC0603X28N 6.95,51.7 r90 bottom (schematic designator R41)
R41B "0" RESC0603X28N 7.225,40.025 r90 bottom (schematic designator R41)
R41C "0" RESC0603X28N 7.249,18.825 r90 bottom (schematic designator R41)
R41D "0" RESC0603X28N 7.2,16.125 r270 bottom (schematic designator R41)
R42 "16k" RESC1608X55N 45.425,20.925 r180 bottom
R43 "27k" RESC1608X55N 54.097,64.498 r180 bottom
R44 "10k" RESC1005X40N 63.554,35.739 r270 bottom
R45 "100" RESC1005X40N 38.844,13.45 r90 bottom
R46 "200" RESC1005X40N 73.006,56.725 r90 bottom
R47 "200" RESC1005X40N 74.956,57.225 r0 bottom
R48 "49R9" RESC3225X70N 6.781,33.45 r180 bottom
R49 "4k7" RESC1005X40N 5.206,29.35 r90 bottom
R50 "100" RESC1005X40N 31.031,66.65 r270 top
R51 "100" RESC1005X40N 61.706,34.025 r180 bottom
R52 "100" RESC1005X40N 61.95,35.975 r270 bottom
R53 "100" RESC1005X40N 60.4,31.225 r180 bottom
R54 "2k2" RESC1005X40N 42.025,12.393 r0 top
R55 "10k" RESC1005X40N 48.594,7.596 r0 bottom
R56 "2k2" RESC1005X40N 40.975,14.475 r0 top
R64 "30k" RESC1608X55N 40.191,21.175 r270 bottom
R65 "1k" RESC1005X40N 2.594,48.947 r180 top
R74 "100" RESC1005X40N 49.825,36.175 r270 bottom
R75 "100" RESC1005X40N 70.475,33.925 r180 bottom
R132 "4k7" RESC1005X40N 71.35,4.6 r0 top
TP1A "" TPR120 21.027,59.875 r90 bottom (schematic designator TP1)
TP1B "" TPR120 21.041,45.121 r90 bottom (schematic designator TP1)
TP1C "" TPR120 20.998,30.555 r90 bottom (schematic designator TP1)
TP1D "" TPR120 21.068,16.055 r90 bottom (schematic designator TP1)
TR1A "" XFMR_ANAREN_BD0205F5050A00 12.327,56.015 r270 top (schematic designator TR1)
TR1B "" XFMR_ANAREN_BD0205F5050A00 12.049,40.981 r270 top (schematic designator TR1)
TR1C "" XFMR_ANAREN_BD0205F5050A00 12.007,26.414 r270 top (schematic designator TR1)
TR1D "" XFMR_ANAREN_BD0205F5050A00 12.077,11.914 r270 top (schematic designator TR1)
VBUF "Test Point" TPS127 54.725,58.275 r180 bottom
VCLK "Test Point" TPS127 48.025,43.85 r180 bottom

## Footprints (in the part's own frame and the unit in brackets; to place one, negate y for a bottom-side part, rotate by r counter-clockwise, add the part's x,y. Pads: shape width x height; smd on the part's side, far side on the other; paste and mask are expansions set on the pad)
"AMPHENOL_901-143_IN BOARD" [mm] "50 Ohm Through Hole SMA 90 degrees PCB Jack - partially embedded"
  round 2.2 hole 1.7: 1(0,0)
  rrect50% 2.5x2.5 hole 1.6 slot 2.4 at 45 deg copper offset -0.2,-0.2: 2(-2.3,-2.3)
  rrect50% 2.5x2.5 hole 1.6 slot 2.4 at 135 deg copper offset -0.2,0.2: 2(-2.3,2.3)
  rrect50% 2.5x2.5 hole 1.6 slot 2.4 at 135 deg copper offset 0.2,-0.2: 2(2.3,-2.3)
  rrect50% 2.5x2.5 hole 1.6 slot 2.4 at 45 deg copper offset 0.2,0.2: 2(2.3,2.3)
  silkscreen extent -3.5,-3.5 3.5,3.5, body extent -13.66,-10 6.35,10.01, height 8.99
CAPC0603X33N [mm] "Chip Capacitor, Body 0.6x0.30mm, IPC Medium Density"
  rect 0.45x0.4 smd: 1(-0.35,0) 2(0.35,0)
  body extent -0.31,-0.16 0.32,0.17, height 0.33
CAPC1608X87N [mm] "Chip Capacitor, Body 1.6x0.8mm IPC Medium Density"
  rect 0.95x1 smd: 1(-0.8,0) 2(0.8,0)
  body extent -0.87,-0.47 0.88,0.48, height 0.87
CAPC1608X90N [mm] "Chip Capacitor, Body 1.6x0.8mm IPC Medium Density"
  rect 0.95x0.95 smd: 1(-0.75,0) 2(0.75,0)
  body extent -0.85,-0.45 0.85,0.45, height 0.9
CAPC2012X135N [mm] "Chip Capacitor, Body 2.0x1.25mm, IPC Medium Density"
  rect 1.05x1.4 smd: 1(-0.9,0) 2(0.9,0)
  silkscreen extent 0,-0.58 0,0.58, body extent -1.05,-0.67 1.05,0.68, height 1.25
CAPMP3528X210N [mm] "Capacitor, Polarized, Molded  Body 3.5x2.8mm, IPC Medium Density"
  rect 1.8x2.25 smd: 1(-1.45,0) 2(1.45,0)
  silkscreen extent -2.53,-1.5 1.85,1.72, body extent -1.85,-1.5 1.85,1.5, height 2.1
FIDUCIAL_TOP_S100-200 [mm] "Square Fiducial Target, Top Layer, 1.0mm, Top Solder 2.0mm, Keepout =2.0mm"
  rect 1x1 smd rot 45 paste-0.51 mask+0.5: 1(0,0)
  Top Layer keep-out region: 1.414,0 0,-1.414 -1.414,0 0,1.414
HIROSE_U.FL-R-SMT-1(10) [mm] "Up to 6GHz Ultra Small Surface Mount Male Coaxial Connectors U.FL Series"
  rect 1x1.05 smd: 1(0,-1.525)
  rect 1.05x2.2 smd: 2(-1.475,0) 2(1.475,0)
  silkscreen extent -1,-1.3 1,1.55, body extent -1.5,-1.55 1.5,1.55, height 1.25
HUBER-SUHNER_85_MMCX-50-0-1/111_OH [mm] "MMCX 50 Ohm Right Angle PCB Jack"
  round 1.5 hole 0.8: 1(0,0) 2(-1.27,1.27) 2(-1.27,-1.27) 2(1.27,1.27) 2(1.27,-1.27)
  silkscreen extent -1.73,-1.74 4.82,1.74, body extent -1.73,-1.74 4.82,1.74, height 3.8
IND_PANASONIC_ELLVGG [mm] "Wire Wound SMD Power Inductor, Body Width 3mm Body Lenght 3mm Height 1.5mm, PANASONIC G Series"
  round 0.5 smd paste-0.26 mask-0.26: 1(-1,0) 2(1,0)
  Top Layer region: -1,-1.6 -1.7,-0.85 -1.7,0.85 -1,1.6 -0.3,1.6 -0.3,-1.6
  Top Layer region: 0.3,-1.6 0.3,1.6 1,1.6 1.7,0.85 1.7,-0.85 1,-1.6
  silkscreen extent 0,-1.6 0,1.6, body extent -1.5,-1.5 1.5,1.5, height 1.5
IND_TDK_VLCF4020-1-1.8uH [mm] "SMD Inductor, 4mm L X 4mm W X 2.0mm H, TDK VLCF4020-1 Case"
  rect 0.95x3.91 smd: 1(-1.125,0) 2(1.125,0)
  Top Layer region: -0.65,1.95 -1.6,1.95 -2.25,1.3 -2.25,-1.3 -1.6,-1.95 -0.65,-1.95
  Top Layer region: 0.65,-1.95 1.6,-1.95 2.25,-1.3 2.25,1.3 1.6,1.95 0.65,1.95
  silkscreen extent -0.35,-2.1 0.35,2.1, body extent -2.15,-2 2.15,2, height 2
INDC1005X55N [mm] "Chip Inductor, 2-Leads, EIA 0402, Metric 1005, Body 1x0.5mm, 0402IPC Medium Density"
  rect 0.6x0.62 smd: 1(-0.46,0) 2(0.46,0)
  body extent -0.52,-0.27 0.53,0.28, height 0.55
INDC2012X105N [mm] "Chip Inductor, EIA 0805, Metric 2012, Body 2.0x1.25mm, IPC Medium Density"
  rect 1.15x1.45 smd: 1(-0.9,0) 2(0.9,0)
  silkscreen extent 0,-0.6 0,0.6, body extent -1.1,-0.7 1.1,0.7, height 1.1